# Allegro board BeagleBone AI -64_PCB_V1.02_211119.brd (continued)
## Routing (per net, layer and track width the routed paths; a pad name or vN(x,y) marks a point on that pad's centre or on a via; arc(x,y) is an arc through that point) (continued)
C_USB_SS_TX2_P: length 4.1
  TOP w0.16: v1(-0.29,59.19) -0.29,59.18 U19.AG8
  BOTTOM w0.13: v1(-0.29,59.19) -0.29,58.94 -0.2,58.85 -0.02,58.85 0.11,58.98 0.11,60.78 arc(0.21,61.28) C132.1
C_USBA_SS_TX_N: length 3.9
  TOP w0.188: v1(-3.49,58.39) -3.49,58.38 U19.AF12
  BOTTOM w0.13: C188.1 -3.83,61.44 -3.88,61.38 -3.88,59.06 arc(-3.83,58.8) -3.69,58.58 v1(-3.49,58.39)
C_USBA_SS_TX_P: length 3.8
  TOP w0.188: v1(-2.69,59.19) -2.69,59.18 U19.AG11
  BOTTOM w0.13: v1(-2.69,59.19) -2.69,59.11 arc(-2.82,58.92) -3.05,58.98 arc(-3.08,59.04) -3.09,59.1 -3.09,60.89 arc(-3.08,60.96) -3.04,61.01 -2.94,61.12 arc(-2.88,61.26) -2.94,61.4 C177.1
C_USBA_SSRX_UP_N: length 2.9
  TOP w0.13: U20.56 -10.62,23.27 -10.72,23.37 -10.92,23.37 -11.18,23.11 -11.53,23.11 -11.95,22.68 -12.27,22.68 C532.2
C_USBA_SSRX_UP_P: length 2.9
  TOP w0.13: C531.2 -12.43,23.15 -12.24,22.96 -12.05,22.96 -11.64,23.37 -11.29,23.37 -10.89,23.77 U20.55
COMP_LM5141: length 3.1
  BOTTOM w0.203: R45.1 20.15,10.43 C91.1 19.33,10.89 19.14,11.09 U3.20
CON_DP0_AUX_N: length 8.7
  TOP w0.106: J7.18 12.26,3.45 12.26,4.99 11.11,6.15 11.11,6.57 D39.1 11.61,7.08 11.12,7.57 11.12,9.03 R311.2 11.42,9.41 L13.2
CON_DP0_AUX_P: length 8.7
  TOP w0.106: L13.3 10.57,9.41 R307.1 10.85,9.05 10.85,7.57 10.36,7.08 D38.1 10.84,6.59 10.84,6.04 12,4.88 12,3.45 J7.16
CON_DP0_TX0_N: length 6.1
  BOTTOM w0.106: J7.5 8.83,7.84 8.66,8.01 8.66,8.3 8.4,8.56 7.93,8.56 7.76,8.73 7.76,8.92 8.32,9.49 D11.1 7.77,10.07 7.77,10.91 8.06,11.2 L5.3
CON_DP0_TX0_P: length 6.1
  BOTTOM w0.106: J7.3 8.23,7.87 8.4,8.04 8.4,8.19 8.29,8.29 7.82,8.29 7.49,8.62 7.49,8.92 6.93,9.49 D12.1 7.5,10.08 7.5,10.91 7.21,11.2 L5.2
CON_DP0_TX1_N: length 5.5
  BOTTOM w0.106: J7.11 10.63,8.16 10.46,8.33 10.46,8.83 10.61,8.98 10.89,8.98 10.99,9.09 D9.1 10.45,10.05 10.45,10.91 10.74,11.2 L4.3
CON_DP0_TX1_P: length 5.6
  BOTTOM w0.106: J7.9 10.03,8.16 10.2,8.33 10.2,8.84 10.05,8.98 9.7,8.98 9.59,9.09 D10.1 10.18,10.09 10.18,10.91 9.89,11.2 L4.2
CON_DP0_TX2_N: length 6.3
  BOTTOM w0.106: L3.3 13.56,11.2 13.27,10.91 13.27,10.16 D6.1 13.92,9.49 13.31,8.88 13.31,8.62 13.05,8.35 12.37,8.35 12.26,8.25 12.26,8.04 12.43,7.87 J7.17
CON_DP0_TX2_P: length 6.3
  BOTTOM w0.106: J7.15 11.83,7.89 12,8.05 12,8.36 12.26,8.62 12.94,8.62 13.05,8.73 13.05,8.88 12.44,9.49 D8.1 13,10.08 13,10.91 12.71,11.2 L3.2
CON_DP0_TX3_N: length 6.9
  TOP w0.106: L12.2 8.48,9.11 8.19,8.82 8.19,7.57 8.67,7.08 D37.1 8.19,6.59 8.19,6.4 8.46,6.12 10.2,6.12 10.46,5.86 10.46,5.45 J7.12
CON_DP0_TX3_P: length 6.8
  TOP w0.106: L12.3 7.63,9.11 7.92,8.83 7.92,7.57 7.43,7.08 D36.1 7.92,6.59 7.92,6.29 8.35,5.86 10.09,5.86 10.2,5.75 10.2,5.45 J7.10
CP2: length 10.2
  TOP w0.165: v1(41.44,9.17) 41.87,9.17 42.08,9.37 46.59,9.37 v1(47.05,8.92)
  BOTTOM w0.165: U1.3 v1(41.44,9.17) ; v1(47.05,8.92) 47.28,9.15 R12.1 47.76,9.5 47.89,9.63 49.82,9.63 50.12,9.33 R355.2
CS_LM5141: length 10.5
  TOP w0.203: R392.1 v1(30.22,12.28)
  L5-SIGNAL w0.203: v1(30.22,12.28) 30.03,12.47 24.1,12.47 23.57,13.01 21.52,13.01 v1(21.29,12.78)
  BOTTOM w0.203: U3.18 20.93,13.04 21.19,12.78 v1(21.29,12.78)
CSI0_RX0_N: length 114.7
  TOP w0.106: J13.2 -25.53,69.48 -25.41,69.37 -25.41,69.2 -25.9,68.71 -28.41,68.71 -29.53,67.59 -29.53,63.5 -29.74,63.3 -30.02,63.3 v1(-30.27,63.55)
  TOP w0.119: U19.B19 -9.49,38.78 v1(-9.89,38.38)
  L3-SIGNAL w0.103: v1(-30.27,63.55) -30.47,63.35 -33.38,63.35 -33.66,63.07 -33.66,62.61 -33.76,62.51 -33.97,62.51 -34.07,62.61 -34.07,63.07 -34.36,63.35 -34.87,63.35 -36.01,62.21 -36.01,61.81 -35.76,61.56 -35.76,61.41 -35.91,61.27 -36.05,61.27 -36.3,61.51 -36.7,61.51 -37.03,61.19 -37.03,60.79 -36.78,60.54 -36.78,60.4 -36.93,60.25 -37.07,60.25 -37.32,60.5 -37.72,60.5 -38.41,59.81 -38.41,58.51 -39.41,57.51 -39.41,56.98 -39.52,56.87 -39.74,56.87 -40.02,56.59 -40.02,56.13 -39.74,55.85 -38.07,55.85 -37.97,55.75 -37.97,55.54 -38.07,55.44 -39.74,55.44 -40.02,55.15 -40.02,54.69 -39.74,54.41 -38.07,54.41 -37.97,54.31 -37.97,54.15 -38.12,54 -39.74,54 -40.02,53.72 -40.02,53.26 -39.74,52.98 -39.52,52.98 -39.41,52.87 -39.41,52.51 -39.13,52.23 -38.04,52.23 -37.94,52.12 -37.94,51.92 -38.04,51.81 -39.13,51.81 -39.41,51.53 -39.41,50.02 -39.52,49.91 -40.48,49.91 -40.76,49.63 -40.76,49.17 -40.48,48.89 -39.52,48.89 -39.41,48.79 -39.41,48.15 -39.13,47.87 -38.04,47.87 -37.94,47.76 -37.94,47.56 -38.04,47.45 -39.16,47.45 -39.44,47.17 -39.44,46.71 -39.16,46.43 -38.04,46.43 -37.97,46.35 -37.97,46.1 -38.04,46.02 -39.13,46.02 -39.41,45.74 -39.41,44.82 -38.99,44.4 -38.59,44.4 -38.08,44.91 -37.91,44.91 -37.78,44.77 -37.78,44.63 -38.3,44.11 -38.3,43.71 -34.88,40.29 -33.27,40.29 -32.3,39.32 -31.9,39.32 -31.49,39.72 -31.32,39.72 -31.18,39.59 -31.18,39.44 -31.6,39.02 -31.6,38.62 -31.34,38.36 -31.34,37.82 -30.55,37.04 -30.15,37.04 -29.89,37.3 -29.73,37.3 -29.62,37.2 -29.62,37.03 -29.81,36.84 -29.81,35.59 -25.85,31.62 -25.85,29.59 -23.18,26.92 -21.15,26.92 -20.87,27.21 -20.87,28.47 -20.76,28.58 -20.55,28.58 -20.45,28.47 -20.45,27.21 -20.17,26.92 -16.92,26.92 -15.92,27.92 -15.92,28.72 -14.6,30.04 -14.45,30.04 -14.27,29.86 -13.87,29.86 -13.54,30.18 -13.54,30.58 -13.73,30.77 -13.73,31.53 -13.46,31.8 -11.27,31.8 -10.79,32.29 -10.79,34.08 -11.07,34.36 -11.65,34.36 -11.75,34.46 -11.75,34.67 -11.65,34.77 -11.07,34.77 -10.79,35.06 -10.79,35.44 -10.29,35.94 -10.29,37.99 v1(-9.89,38.38)
CSI0_RX0_P: length 114.6
  TOP w0.106: v1(-10.69,37.58) -10.29,37.98 U19.A20 ; v1(-30.27,62.79) -30.03,63.03 -29.63,63.03 -29.27,63.39 -29.27,67.48 -28.3,68.44 -25.79,68.44 -25.15,69.08 -25.15,69.37 -25.03,69.48 J13.3
  L3-SIGNAL w0.103: v1(-30.27,62.79) -30.52,63.04 -33.25,63.04 -33.36,62.94 -33.36,62.49 -33.64,62.21 -34.1,62.21 -34.38,62.49 -34.38,62.94 -34.48,63.04 -34.74,63.04 -34.99,62.79 -34.99,62.65 -34.86,62.51 -34.86,62.37 -35.01,62.22 -35.15,62.22 -35.29,62.35 -35.43,62.35 -35.7,62.08 -35.7,61.93 -35.46,61.69 -35.46,61.29 -35.78,60.96 -36.18,60.96 -36.43,61.21 -36.58,61.21 -36.72,61.06 -36.72,60.92 -36.47,60.67 -36.47,60.27 -36.8,59.94 -37.2,59.94 -37.45,60.19 -37.59,60.19 -38.1,59.68 -38.1,58.39 -38.29,58.2 -38.29,58.06 -38.18,57.95 -38.18,57.8 -38.32,57.66 -38.47,57.66 -38.58,57.77 -38.72,57.77 -39.11,57.38 -39.11,56.85 -39.39,56.57 -39.62,56.57 -39.72,56.46 -39.72,56.26 -39.62,56.15 -37.94,56.15 -37.66,55.87 -37.66,55.41 -37.94,55.13 -39.62,55.13 -39.72,55.03 -39.72,54.82 -39.62,54.72 -37.94,54.72 -37.66,54.44 -37.66,54.03 -37.99,53.69 -39.62,53.69 -39.72,53.59 -39.72,53.38 -39.62,53.28 -39.39,53.28 -39.11,53 -39.11,52.63 -39.01,52.53 -37.92,52.53 -37.64,52.25 -37.64,51.79 -37.92,51.51 -39.01,51.51 -39.11,51.4 -39.11,51.11 -39.01,51 -38.86,51 -38.75,50.9 -38.75,50.69 -38.86,50.59 -39.01,50.59 -39.11,50.49 -39.11,49.89 -39.39,49.61 -40.35,49.61 -40.46,49.5 -40.46,49.3 -40.35,49.19 -39.39,49.19 -39.11,48.91 -39.11,48.28 -39.01,48.17 -37.92,48.17 -37.64,47.89 -37.64,47.43 -37.92,47.15 -39.03,47.15 -39.13,47.05 -39.13,46.84 -39.03,46.74 -37.92,46.74 -37.66,46.48 -37.66,45.97 -37.92,45.71 -39.01,45.71 -39.11,45.61 -39.11,44.95 -38.86,44.71 -38.72,44.71 -38.21,45.21 -37.79,45.21 -37.47,44.9 -37.47,44.5 -37.99,43.98 -37.99,43.83 -34.75,40.59 -33.14,40.59 -32.17,39.62 -32.02,39.62 -31.62,40.03 -31.19,40.03 -30.88,39.72 -30.88,39.32 -31.3,38.9 -31.3,38.75 -31.03,38.48 -31.03,37.95 -30.43,37.34 -30.28,37.34 -30.02,37.6 -29.6,37.6 -29.32,37.32 -29.32,36.91 -29.51,36.72 -29.51,35.71 -25.55,31.75 -25.55,29.72 -23.06,27.23 -21.27,27.23 -21.17,27.33 -21.17,28.6 -20.89,28.88 -20.43,28.88 -20.15,28.6 -20.15,27.33 -20.04,27.23 -17.05,27.23 -16.22,28.05 -16.22,28.85 -14.72,30.35 -14.33,30.35 -14.14,30.16 -14,30.16 -13.85,30.31 -13.85,30.46 -14.03,30.64 -14.03,30.81 -14.14,30.91 -14.19,30.91 -14.29,31.01 -14.29,31.22 -14.19,31.32 -14.14,31.32 -14.03,31.43 -14.03,31.66 -13.58,32.11 -12.28,32.11 -12.18,32.21 -12.18,32.22 -12.07,32.33 -11.87,32.33 -11.76,32.22 -11.76,32.21 -11.66,32.11 -11.4,32.11 -11.09,32.41 -11.09,33.95 -11.2,34.06 -11.78,34.06 -12.06,34.34 -12.06,34.8 -11.78,35.08 -11.2,35.08 -11.09,35.18 -11.09,35.56 -10.59,36.06 -10.59,37.48 v1(-10.69,37.58)
CSI0_RX1_N: length 115.1
  TOP w0.106: J13.5 -24.03,69.48 -23.92,69.37 -23.92,69.19 -25.26,67.84 -27.27,67.84 -28.11,67.01 -28.11,65.38 -28.24,65.25 -28.48,65.25 v1(-28.72,65.5)
  TOP w0.119: v1(-9.09,39.98) -8.69,40.38 U19.D18
  L3-SIGNAL w0.103: v1(-9.09,39.98) -9.5,39.58 -9.5,39.04 -9.49,39.03 -9.49,39.02 -9.26,38.79 -9.25,38.79 -9.24,38.78 -8.93,38.78 -8.92,38.76 -8.91,38.76 -8.69,38.54 -8.69,37.42 -8.88,37.23 -8.88,36.93 -8.3,36.35 -8.3,32.82 -11,30.12 -11.4,30.12 -12.02,30.74 -12.24,30.74 -12.4,30.57 -12.4,30.4 -11.76,29.76 -11.76,29.36 -12.87,28.25 -13.99,28.25 -16.25,25.99 -24.07,25.99 -26.97,28.88 -26.97,30.81 -30.47,34.32 -30.57,34.32 -31.36,35.1 -31.36,35.5 -31.16,35.7 -31.16,35.84 -31.31,35.99 -31.45,35.99 -31.65,35.79 -32.05,35.79 -33.23,36.97 -33.23,37.37 -32.74,37.86 -32.74,38.11 -32.89,38.25 -33.03,38.25 -33.57,37.71 -33.97,37.71 -34.78,38.52 -34.93,38.52 -35.1,38.36 -35.5,38.36 -35.82,38.68 -35.82,39.08 -35.65,39.25 -35.65,39.39 -38.27,42.01 -38.42,42.01 -38.78,41.65 -39.18,41.65 -39.5,41.97 -39.5,42.37 -39.14,42.74 -39.14,42.88 -39.52,43.26 -39.66,43.26 -39.84,43.08 -40.24,43.08 -40.57,43.4 -40.57,43.8 -40.44,43.93 -40.44,44.08 -41.4,45.04 -41.4,45.76 -41.11,46.04 -40.71,46.04 -40.61,46.15 -40.61,46.35 -40.71,46.46 -41.11,46.46 -41.4,46.74 -41.4,46.99 -41.76,47.36 -41.76,49.18 -42.69,50.1 -42.69,50.72 -42.4,51 -41.85,51 -41.75,51.11 -41.75,51.32 -41.85,51.42 -42.4,51.42 -42.69,51.7 -42.69,52.33 -42.4,52.61 -41.19,52.61 -41.09,52.71 -41.09,52.92 -41.19,53.02 -42.4,53.02 -42.69,53.3 -42.69,53.76 -42.4,54.04 -41.19,54.04 -41.09,54.15 -41.09,54.35 -41.19,54.46 -42.4,54.46 -42.69,54.74 -42.69,56.24 -42.34,56.59 -41.94,56.59 -41.28,55.94 -41.06,55.94 -40.95,56.05 -40.95,56.19 -41.64,56.88 -41.64,57.28 -41.32,57.61 -41.32,58.4 -40.52,59.2 -40.12,59.2 -39.72,58.79 -39.57,58.79 -39.43,58.94 -39.43,59.09 -39.83,59.49 -39.83,59.89 -34.45,65.27 -33.6,65.27 -33.32,64.99 -33.32,64.32 -33.22,64.21 -33.01,64.21 -32.91,64.32 -32.91,64.99 -32.63,65.27 -32.17,65.27 -31.88,64.99 -31.88,64.32 -31.78,64.21 -31.57,64.21 -31.47,64.32 -31.47,64.99 -31.19,65.27 -28.95,65.27 v1(-28.72,65.5)
CSI0_RX1_P: length 115
  TOP w0.106: J13.6 -23.53,69.48 -23.65,69.37 -23.65,69.08 -25.15,67.58 -27.16,67.58 -27.84,66.9 -27.84,65.27 -28.13,64.99 -28.47,64.99 v1(-28.72,64.74)
  TOP w0.119: v1(-9.89,39.18) -9.49,39.58 U19.C19
  L3-SIGNAL w0.103: v1(-28.72,64.74) -28.95,64.96 -31.06,64.96 -31.17,64.86 -31.17,64.19 -31.45,63.91 -31.91,63.91 -32.19,64.19 -32.19,64.86 -32.29,64.96 -32.5,64.96 -32.6,64.86 -32.6,64.19 -32.88,63.91 -33.34,63.91 -33.63,64.19 -33.63,64.86 -33.73,64.96 -34.32,64.96 -39.52,59.76 -39.52,59.62 -39.12,59.21 -39.12,58.82 -39.45,58.49 -39.85,58.49 -40.25,58.89 -40.39,58.89 -41.01,58.27 -41.01,57.48 -41.34,57.16 -41.34,57.01 -40.65,56.32 -40.65,55.92 -40.93,55.63 -41.41,55.63 -42.06,56.29 -42.21,56.29 -42.38,56.12 -42.38,54.87 -42.28,54.76 -41.07,54.76 -40.79,54.48 -40.79,54.02 -41.07,53.74 -42.28,53.74 -42.38,53.64 -42.38,53.43 -42.28,53.33 -41.07,53.33 -40.79,53.04 -40.79,52.58 -41.07,52.3 -42.28,52.3 -42.38,52.2 -42.38,51.83 -42.28,51.72 -41.73,51.72 -41.45,51.44 -41.45,50.98 -41.73,50.7 -42.28,50.7 -42.38,50.6 -42.38,50.23 -42.22,50.07 -42.01,50.07 -41.82,49.88 -41.82,49.67 -41.46,49.31 -41.46,47.49 -41.09,47.12 -41.09,46.87 -40.99,46.76 -40.59,46.76 -40.3,46.48 -40.3,46.02 -40.59,45.74 -40.99,45.74 -41.09,45.64 -41.09,45.16 -40.89,44.96 -40.63,44.96 -40.47,44.79 -40.47,44.54 -40.13,44.2 -40.13,43.81 -40.26,43.68 -40.26,43.53 -40.12,43.38 -39.97,43.38 -39.79,43.56 -39.39,43.56 -38.84,43.01 -38.84,42.61 -39.2,42.25 -39.2,42.1 -39.05,41.95 -38.91,41.95 -38.54,42.32 -38.14,42.32 -35.35,39.52 -35.35,39.12 -35.52,38.95 -35.52,38.81 -35.37,38.66 -35.22,38.66 -35.05,38.83 -34.66,38.83 -34.49,38.67 -34.21,38.67 -34.06,38.51 -34.06,38.23 -33.84,38.02 -33.7,38.02 -33.16,38.56 -32.76,38.56 -32.43,38.23 -32.43,37.73 -32.92,37.24 -32.92,37.1 -31.93,36.1 -31.78,36.1 -31.58,36.3 -31.18,36.3 -30.86,35.97 -30.86,35.57 -31.05,35.37 -31.05,35.23 -30.45,34.62 -30.35,34.62 -26.66,30.94 -26.66,29.01 -25.83,28.17 -25.67,28.17 -25.45,27.96 -25.45,27.8 -25.11,27.45 -24.85,27.45 -24.69,27.29 -24.69,27.03 -23.95,26.29 -16.38,26.29 -14.12,28.55 -13.93,28.55 -13.75,28.73 -13.52,28.73 -13.34,28.55 -13,28.55 -12.06,29.49 -12.06,29.63 -12.71,30.28 -12.71,30.7 -12.36,31.04 -11.89,31.04 -11.28,30.42 -11.13,30.42 -10.03,31.52 -10.03,31.67 -10.19,31.83 -10.19,31.97 -10.04,32.12 -9.89,32.12 -9.74,31.96 -9.59,31.96 -9.2,32.35 -9.2,32.63 -9.05,32.78 -8.77,32.78 -8.6,32.95 -8.6,33.98 -8.7,34.09 -8.88,34.09 -8.99,34.19 -8.99,34.4 -8.88,34.5 -8.7,34.5 -8.6,34.6 -8.6,35.36 -8.81,35.56 -8.81,35.77 -8.6,35.98 -8.6,36.22 -9.18,36.8 -9.18,37.12 -9.49,37.42 -9.49,38.54 -9.89,38.94 v1(-9.89,39.18)
CSI0_RX2_N: length 115.5
  TOP w0.106: v1(-8.29,39.98) -7.89,40.38 U19.D17 ; v1(-26.2,65.96) -25.95,65.71 -24.27,65.71 -20.92,69.06 -20.92,69.37 -21.03,69.48 J13.11
  TOP w0.119: -8.29,39.98 v1(-8.29,39.98)
  L3-SIGNAL w0.103: v1(-26.2,65.96) -26.45,65.7 -27.8,65.7 -28.52,66.42 -34.77,66.42 -42.41,58.78 -42.41,57.84 -43.81,56.44 -43.81,49.45 -42.77,48.41 -42.77,48.06 -43.45,47.37 -43.45,46.81 -43.17,46.53 -42.41,46.53 -42.31,46.42 -42.31,46.22 -42.41,46.11 -43.17,46.11 -43.45,45.83 -43.45,45.37 -43.17,45.09 -42.41,45.09 -42.31,44.99 -42.31,44.78 -42.41,44.68 -43.17,44.68 -43.45,44.39 -43.45,43.84 -42.69,43.08 -42.29,43.08 -41.84,43.53 -41.69,43.53 -41.54,43.38 -41.54,43.23 -41.99,42.78 -41.99,42.38 -41.57,41.96 -40.86,41.96 -40.61,41.71 -40.61,40.98 -39.58,39.95 -39.18,39.95 -38.58,40.55 -38.44,40.55 -38.29,40.4 -38.29,40.26 -38.89,39.66 -38.89,39.26 -38.56,38.93 -38.16,38.93 -37.56,39.53 -37.42,39.53 -37.27,39.39 -37.27,39.24 -37.87,38.64 -37.87,38.24 -36.41,36.78 -34.74,36.78 -27.98,30.02 -27.98,28.21 -24.59,24.82 -15.92,24.82 -13.91,26.82 -12.59,26.82 -11.86,27.56 -11.71,27.56 -11.47,27.32 -11.08,27.32 -10.75,27.64 -10.75,28.04 -10.99,28.28 -10.99,28.43 -10.84,28.57 -10.7,28.57 -10.46,28.33 -10.06,28.33 -9.73,28.66 -9.73,29.06 -9.97,29.3 -9.97,29.44 -9.65,29.77 -9.65,29.97 -8.56,31.06 -8.33,31.06 -7.78,30.51 -7.38,30.51 -7.1,30.79 -7.1,31.19 -7.69,31.78 -7.69,31.93 -6.8,32.82 -6.8,36.24 -7.34,36.78 -7.34,37.18 -7.1,37.42 -7.1,38.58 -7.31,38.79 -7.66,38.79 -7.89,39.02 -7.89,39.36 -8.29,39.76 v1(-8.29,39.98)
CSI0_RX2_P: length 115.5
  TOP w0.106: U19.C18 -8.69,39.58 v1(-9.09,39.18) ; v1(-26.2,65.2) -26.18,65.2 -26.16,65.22 -26.16,65.23 -25.95,65.44 -24.16,65.44 -20.65,68.95 -20.65,69.37 -20.53,69.48 J13.12
  L3-SIGNAL w0.103: v1(-26.2,65.2) -26.4,65.4 -27.93,65.4 -28.64,66.12 -30.87,66.12 -31.05,65.94 -31.29,65.94 -31.46,66.12 -31.7,66.12 -31.88,65.94 -32.11,65.94 -32.29,66.12 -32.53,66.12 -32.7,65.94 -32.94,65.94 -33.12,66.12 -33.35,66.12 -33.53,65.94 -33.77,65.94 -33.94,66.12 -34.64,66.12 -42.11,58.65 -42.11,57.71 -43.5,56.32 -43.5,55.75 -43.35,55.6 -43.35,55.34 -43.5,55.19 -43.5,54.92 -43.35,54.77 -43.35,54.51 -43.5,54.36 -43.5,49.58 -42.46,48.54 -42.46,47.93 -43.15,47.25 -43.15,46.93 -43.04,46.83 -42.29,46.83 -42.01,46.55 -42.01,46.09 -42.29,45.81 -43.04,45.81 -43.15,45.71 -43.15,45.5 -43.04,45.39 -42.29,45.39 -42.01,45.11 -42.01,44.65 -42.29,44.37 -43.04,44.37 -43.15,44.27 -43.15,43.97 -42.56,43.38 -42.41,43.38 -41.96,43.83 -41.56,43.83 -41.24,43.51 -41.24,43.11 -41.69,42.66 -41.69,42.51 -41.45,42.27 -40.74,42.27 -40.3,41.84 -40.3,41.11 -39.45,40.26 -39.31,40.26 -38.71,40.86 -38.31,40.86 -37.98,40.53 -37.98,40.13 -38.58,39.53 -38.58,39.39 -38.44,39.24 -38.29,39.24 -37.69,39.84 -37.29,39.84 -36.97,39.51 -36.97,39.11 -37.57,38.51 -37.57,38.37 -36.28,37.09 -34.61,37.09 -27.68,30.15 -27.68,28.34 -24.46,25.12 -16.05,25.12 -14.04,27.13 -12.72,27.13 -11.99,27.86 -11.59,27.86 -11.35,27.62 -11.2,27.62 -11.05,27.77 -11.05,27.91 -11.29,28.15 -11.29,28.55 -10.97,28.88 -10.57,28.88 -10.33,28.64 -10.18,28.64 -10.04,28.79 -10.04,28.93 -10.28,29.17 -10.28,29.57 -9.95,29.9 -9.95,30.1 -8.69,31.36 -8.2,31.36 -7.65,30.82 -7.51,30.82 -7.41,30.92 -7.41,31.06 -8,31.66 -8,32.05 -7.1,32.95 -7.1,33.95 -7.2,34.06 -7.33,34.06 -7.44,34.16 -7.44,34.37 -7.33,34.47 -7.2,34.47 -7.1,34.57 -7.1,34.78 -7.2,34.88 -7.33,34.88 -7.44,34.99 -7.44,35.19 -7.33,35.3 -7.2,35.3 -7.1,35.4 -7.1,36.12 -7.64,36.65 -7.64,37.15 -7.89,37.4 -7.89,38.54 -8.13,38.79 -8.46,38.79 -8.86,39.18 v1(-9.09,39.18)
CSI0_RX3_N: length 116.6
  TOP w0.106: v1(-25.55,63.96) -25.75,63.76 -25.75,63.55 -25.62,63.43 -24.99,63.43 -19.42,69 -19.42,69.37 -19.53,69.48 J13.14
  TOP w0.119: U19.E16 -7.49,40.78 v1(-7.49,40.78)
  L3-SIGNAL w0.103: v1(-25.55,63.96) -25.77,64.19 -25.77,64.57 -25.37,64.97 -25.37,66.83 -25.93,67.39 -35.25,67.39 -44.75,57.89 -44.75,48.59 -45.61,47.73 -45.61,44.67 -41.8,40.86 -41.8,40.55 -36.48,35.23 -34.51,35.23 -29.15,29.87 -29.15,27.8 -25.17,23.81 -15.25,23.81 -13.61,25.45 -10.74,25.45 -8.07,28.12 -6.81,28.12 -5.71,29.22 -5.71,32.06 -5.4,32.36 -5.4,33.44 -5.65,33.69 -5.65,39.45 -6.08,39.88 -6.08,39.93 -6.54,40.39 -7.38,40.39 -7.49,40.49 v1(-7.49,40.78)
CSI0_RX3_P: length 116.6
  TOP w0.106: v1(-26.31,63.96) -26.02,63.67 -26.02,63.44 -25.73,63.16 -24.88,63.16 -19.15,68.89 -19.15,69.37 -19.03,69.48 J13.15
  TOP w0.119: U19.E17 -7.89,41.18 v1(-8.29,40.78)
  L3-SIGNAL w0.103: v1(-26.31,63.96) -26.08,64.19 -26.08,64.69 -25.67,65.1 -25.67,66.7 -26.05,67.08 -26.37,67.08 -26.48,66.98 -26.48,66.93 -26.58,66.83 -26.79,66.83 -26.89,66.93 -26.89,66.98 -26.99,67.08 -27.2,67.08 -27.3,66.98 -27.3,66.93 -27.41,66.83 -27.61,66.83 -27.72,66.93 -27.72,66.98 -27.82,67.08 -35.12,67.08 -44.44,57.76 -44.44,48.47 -45.31,47.6 -45.31,44.8 -41.5,40.99 -41.5,40.68 -36.36,35.54 -34.39,35.54 -28.85,30 -28.85,27.92 -25.04,24.12 -15.37,24.12 -13.74,25.76 -10.86,25.76 -8.2,28.42 -6.94,28.42 -6.01,29.35 -6.01,32.18 -5.71,32.49 -5.71,33.32 -5.95,33.56 -5.95,39.32 -6.22,39.59 -7.66,39.59 -7.89,39.82 -7.89,40.23 -7.89,40.38 v1(-8.29,40.78)
CSI0_RXCLK_N: length 115.1
  TOP w0.106: J13.8 -22.53,69.48 -22.44,69.39 -22.44,69.24 -24.73,66.96 -26.61,66.96 -27.21,66.36 -27.21,63.8 -27.7,63.3 -28.3,63.3 v1(-28.55,63.55) ; v1(-10.69,38.38) -10.29,38.78 U19.B20
  L3-SIGNAL w0.103: v1(-28.55,63.55) -28.75,63.35 -29.14,63.35 -30.13,62.36 -31.72,62.36 -33.26,60.82 -34.91,60.82 -36.95,58.78 -36.95,54.71 -36.67,54.43 -35.17,54.43 -35.07,54.33 -35.07,54.12 -35.17,54.02 -36.67,54.02 -36.95,53.74 -36.95,52.43 -36.67,52.14 -34.59,52.14 -34.49,52.04 -34.49,51.83 -34.59,51.73 -36.67,51.73 -36.95,51.45 -36.95,50.12 -36.75,49.91 -36.75,47.41 -36.47,47.13 -36,47.13 -35.83,46.97 -35.83,46.82 -35.94,46.72 -36.47,46.72 -36.75,46.43 -36.75,43.66 -36.13,43.04 -35.73,43.04 -35.19,43.59 -35.04,43.59 -34.9,43.44 -34.9,43.29 -35.44,42.75 -35.44,42.35 -34.77,41.68 -34.19,41.68 -33.91,41.97 -33.91,42.77 -33.8,42.88 -33.6,42.88 -33.49,42.77 -33.49,41.97 -33.21,41.68 -32.75,41.68 -32.47,41.97 -32.47,42.77 -32.37,42.88 -32.16,42.88 -32.06,42.77 -32.06,42.02 -28.72,38.68 -28.72,37.34 -28.44,37.06 -27.1,37.06 -26.99,36.96 -26.99,36.75 -27.1,36.65 -28.44,36.65 -28.72,36.36 -28.72,35.87 -27.49,34.63 -27.09,34.63 -26.52,35.2 -26.38,35.2 -26.23,35.05 -26.23,34.91 -26.8,34.34 -26.8,33.94 -24.78,31.93 -24.78,30.08 -24.45,29.74 -23.82,29.74 -23.43,30.13 -23.43,30.97 -22.91,31.5 -22.91,31.84 -22.78,31.97 -22.78,32.92 -22.6,33.1 -22.07,33.1 -21.9,32.93 -21.9,29.83 -21.58,29.52 -20.58,29.52 -20.25,29.85 -19.99,29.85 -19.66,29.52 -18.4,29.52 -18.09,29.82 -17.8,29.82 -17.5,29.52 -16.55,29.52 -15.39,30.69 -15.39,33.29 -15.28,33.39 -14.63,33.39 -14.34,33.68 -14.34,34.14 -14.63,34.42 -15.44,34.42 -15.67,34.65 -15.67,35.08 -15.16,35.59 -14.91,35.59 -14.24,34.91 -13.84,34.91 -13.51,35.24 -13.51,35.64 -14.19,36.31 -14.19,36.74 -14.47,37.02 -14.9,37.02 -15.01,37.13 -15.01,37.33 -14.9,37.44 -14.47,37.44 -14.19,37.72 -14.19,38.13 -13.99,38.33 -13.3,38.33 -13.11,38.14 -13.11,36.05 -12.83,35.76 -12.37,35.76 -12.09,36.05 -12.09,36.58 -11.99,36.68 -11.45,36.68 -11.07,37.06 -11.07,37.77 -10.69,38.14 v1(-10.69,38.38)
CSI0_RXCLK_P: length 115.1
  TOP w0.106: J13.9 -22.03,69.48 -22.18,69.34 -22.18,69.13 -22.69,68.62 -24.62,66.69 -26.5,66.69 -26.94,66.25 -26.94,63.69 -27.59,63.04 -28.27,63.04 -28.52,62.79 v1(-28.55,62.79)
  TOP w0.119: v1(-11.49,37.58) -11.49,37.58 U19.A21
  L3-SIGNAL w0.103: v1(-11.49,37.58) -11.37,37.46 -11.37,37.19 -11.58,36.98 -12.11,36.98 -12.39,36.7 -12.39,36.17 -12.5,36.07 -12.7,36.07 -12.81,36.17 -12.81,37.11 -12.67,37.24 -12.67,37.52 -12.81,37.66 -12.81,38.27 -13.18,38.63 -14.12,38.63 -14.49,38.26 -14.49,37.84 -14.59,37.74 -15.03,37.74 -15.31,37.46 -15.31,37 -15.03,36.72 -14.59,36.72 -14.49,36.61 -14.49,36.18 -13.82,35.51 -13.82,35.36 -13.96,35.22 -14.11,35.22 -14.78,35.89 -15.28,35.89 -15.97,35.21 -15.97,34.52 -15.56,34.11 -14.75,34.11 -14.65,34.01 -14.65,33.8 -14.75,33.7 -15.41,33.7 -15.69,33.42 -15.69,33.16 -15.89,32.95 -15.89,32.74 -15.69,32.54 -15.69,32.22 -15.79,32.11 -15.87,32.11 -15.97,32.01 -15.97,31.8 -15.87,31.7 -15.79,31.7 -15.69,31.6 -15.69,30.81 -15.85,30.65 -16,30.65 -16.06,30.71 -16.2,30.71 -16.35,30.56 -16.35,30.41 -16.29,30.36 -16.29,30.21 -16.68,29.82 -17.37,29.82 -17.68,30.13 -18.22,30.13 -18.52,29.82 -19.53,29.82 -19.86,30.15 -20.38,30.15 -20.71,29.82 -21.45,29.82 -21.59,29.96 -21.59,33.06 -21.94,33.4 -22.73,33.4 -23.08,33.05 -23.08,32.1 -23.21,31.97 -23.21,31.62 -23.74,31.1 -23.74,30.25 -23.94,30.05 -24.32,30.05 -24.48,30.2 -24.48,32.06 -24.64,32.22 -24.64,32.37 -24.57,32.44 -24.57,32.58 -24.72,32.73 -24.87,32.73 -24.94,32.66 -25.08,32.66 -25.77,33.34 -25.77,33.49 -25.74,33.52 -25.74,33.67 -25.88,33.81 -26.03,33.81 -26.06,33.78 -26.21,33.78 -26.49,34.07 -26.49,34.22 -25.93,34.78 -25.93,35.18 -26.25,35.51 -26.65,35.51 -27.22,34.94 -27.36,34.94 -28.42,35.99 -28.42,36.24 -28.31,36.34 -26.97,36.34 -26.69,36.62 -26.69,37.08 -26.97,37.36 -28.31,37.36 -28.42,37.47 -28.42,37.83 -28.31,37.94 -28.21,37.94 -28.11,38.04 -28.11,38.25 -28.21,38.35 -28.31,38.35 -28.42,38.45 -28.42,38.81 -31.75,42.15 -31.75,42.9 -32.03,43.18 -32.49,43.18 -32.77,42.9 -32.77,42.09 -32.88,41.99 -33.08,41.99 -33.19,42.09 -33.19,42.9 -33.47,43.18 -33.93,43.18 -34.21,42.9 -34.21,42.09 -34.31,41.99 -34.64,41.99 -35.13,42.48 -35.13,42.63 -34.59,43.17 -34.59,43.56 -34.92,43.89 -35.31,43.89 -35.86,43.35 -36,43.35 -36.44,43.79 -36.44,46.31 -36.34,46.41 -35.81,46.41 -35.53,46.69 -35.53,47.09 -35.87,47.43 -36.34,47.43 -36.44,47.54 -36.44,50.04 -36.65,50.24 -36.65,51.32 -36.54,51.43 -34.46,51.43 -34.18,51.71 -34.18,52.17 -34.46,52.45 -36.54,52.45 -36.65,52.55 -36.65,53.61 -36.54,53.71 -35.05,53.71 -34.77,53.99 -34.77,54.45 -35.05,54.74 -36.54,54.74 -36.65,54.84 -36.65,58.65 -34.78,60.52 -33.13,60.52 -31.59,62.05 -30,62.05 -29.01,63.04 -28.8,63.04 v1(-28.55,62.79)
CSI0_RXRCALIB: length 0.6
  TOP w0.229: v1(-7.49,41.58) -7.49,41.58 U19.F16
CSI1_RX0_N: length 136.7
  TOP w0.106: v1(-11.42,70.64) -11.23,70.45 -11.23,68.83 -10.96,68.56 -10.16,68.56 -9.71,69 -9.71,71.37 -8.72,72.35 -7.09,72.35 -4.47,69.74 -2.04,69.74 -1.64,70.13 -1.64,70.82 -1.64,71.01 -1.14,71.52 -0.8,71.52 -0.7,71.41 -0.7,71.26 -0.81,71.14 J15.2
  TOP w0.119: U19.B16 -7.09,38.78 v1(-7.49,38.38)
  L12-SIGNAL w0.103: v1(-7.49,38.38) -7.89,37.99 -7.89,37.62 -7.89,37.61 -7.89,36.45 -9.06,35.28 -10.31,35.28 -10.79,34.8 -10.79,33.05 -12.29,31.55 -13.07,31.55 -13.61,31.01 -13.61,30.87 -13.41,30.67 -13.41,30.27 -13.74,29.95 -14.14,29.95 -14.33,30.14 -14.48,30.14 -15.92,28.7 -15.92,27.98 -16.95,26.95 -20.13,26.95 -20.41,27.23 -20.41,28.27 -20.52,28.37 -20.72,28.37 -20.83,28.27 -20.83,27.23 -21.11,26.95 -23.21,26.95 -25.85,29.59 -25.85,31.62 -29.81,35.59 -29.81,36.3 -31.03,37.52 -31.03,38.28 -31.36,38.61 -31.72,38.61 -32.16,38.17 -32.71,38.17 -33.11,38.57 -33.11,39.9 -33.5,40.29 -34.87,40.29 -38.4,43.82 -38.4,59.95 -28.54,69.8 -22.09,69.8 -21.99,69.91 -21.99,70.51 -21.71,70.79 -21.25,70.79 -20.97,70.51 -20.97,69.91 -20.86,69.8 -20.59,69.8 -20.49,69.91 -20.49,71.07 -20.2,71.35 -19.74,71.35 -19.46,71.07 -19.46,69.91 -19.36,69.8 -19.15,69.8 -19.05,69.91 -19.05,71.07 -18.77,71.35 -18.31,71.35 -18.03,71.07 -18.03,69.91 -17.92,69.8 -17.72,69.8 -17.61,69.91 -17.61,71.07 -17.33,71.35 -16.87,71.35 -16.59,71.07 -16.59,69.91 -16.49,69.8 -16.28,69.8 -16.18,69.91 -16.18,71.07 -15.89,71.35 -15.43,71.35 -15.15,71.07 -15.15,69.91 -15.05,69.8 -14.84,69.8 -14.74,69.91 -14.74,71.07 -14.46,71.35 -14,71.35 -13.72,71.07 -13.72,69.91 -13.61,69.8 -13.41,69.8 -13.3,69.91 -13.3,71.07 -13.02,71.35 -12.56,71.35 -12.28,71.07 -12.28,69.91 -12.18,69.8 -11.3,69.8 -11.2,69.91 -11.2,70.41 v1(-11.42,70.64)
CSI1_RX0_P: length 136.6
  TOP w0.106: J15.3 -0.31,71.14 -0.43,71.26 -0.43,71.52 -0.69,71.78 -1.25,71.78 -1.91,71.12 -1.91,70.82 -1.91,70.25 -2.15,70 -4.36,70 -5.23,70.87 -5.23,71.02 -5.16,71.08 -5.16,71.23 -5.3,71.37 -5.48,71.37 -5.53,71.32 -5.68,71.32 -6.03,71.67 -6.03,71.82 -5.97,71.87 -5.97,72.02 -6.12,72.17 -6.27,72.17 -6.33,72.12 -6.48,72.12 -6.98,72.62 -8.83,72.62 -9.98,71.48 -9.98,69.11 -10.27,68.82 -10.85,68.82 -10.97,68.94 -10.97,70.33 v1(-10.66,70.64)
  TOP w0.119: v1(-8.29,37.58) -7.89,37.98 U19.A17
  L12-SIGNAL w0.103: v1(-10.66,70.64) -10.89,70.41 -10.89,69.78 -11.17,69.5 -12.3,69.5 -12.58,69.78 -12.58,70.94 -12.69,71.05 -12.89,71.05 -13,70.94 -13,69.78 -13.28,69.5 -13.74,69.5 -14.02,69.78 -14.02,70.94 -14.12,71.05 -14.33,71.05 -14.43,70.94 -14.43,69.78 -14.72,69.5 -15.18,69.5 -15.46,69.78 -15.46,70.94 -15.56,71.05 -15.77,71.05 -15.87,70.94 -15.87,69.78 -16.15,69.5 -16.61,69.5 -16.89,69.78 -16.89,70.94 -17,71.05 -17.2,71.05 -17.31,70.94 -17.31,69.78 -17.59,69.5 -18.05,69.5 -18.33,69.78 -18.33,70.94 -18.43,71.05 -18.64,71.05 -18.74,70.94 -18.74,69.78 -19.03,69.5 -19.49,69.5 -19.77,69.78 -19.77,70.94 -19.87,71.05 -20.08,71.05 -20.18,70.94 -20.18,69.78 -20.46,69.5 -20.99,69.5 -21.27,69.78 -21.27,70.38 -21.37,70.49 -21.58,70.49 -21.68,70.38 -21.68,69.78 -21.97,69.5 -28.42,69.5 -38.09,59.82 -38.09,43.94 -34.74,40.59 -33.37,40.59 -32.8,40.03 -32.8,38.7 -32.59,38.48 -32.28,38.48 -31.85,38.91 -31.24,38.91 -30.73,38.41 -30.73,37.64 -29.51,36.43 -29.51,35.71 -25.55,31.75 -25.55,29.72 -25.31,29.48 -25.16,29.48 -25.02,29.63 -24.87,29.63 -24.73,29.48 -24.73,29.34 -24.87,29.19 -24.87,29.05 -23.8,27.97 -23.58,27.97 -23.4,27.78 -23.4,27.57 -23.08,27.26 -22.06,27.26 -21.9,27.42 -21.65,27.42 -21.48,27.26 -21.24,27.26 -21.13,27.36 -21.13,28.4 -20.85,28.68 -20.39,28.68 -20.11,28.4 -20.11,27.36 -20.01,27.26 -17.07,27.26 -16.22,28.11 -16.22,28.83 -14.61,30.45 -14.21,30.45 -14.01,30.25 -13.86,30.25 -13.72,30.4 -13.72,30.54 -13.91,30.74 -13.91,31.14 -13.2,31.85 -12.41,31.85 -11.88,32.39 -11.88,32.54 -11.91,32.57 -11.91,32.72 -11.77,32.86 -11.62,32.86 -11.58,32.83 -11.44,32.83 -11.09,33.17 -11.09,34.93 -10.43,35.59 -9.19,35.59 -8.2,36.58 -8.2,37.49 v1(-8.29,37.58)